# Altium PCB Pannel3.5x2 Ver0.2.PcbDoc (part 2 of 4)
Units mil, origin at the board's own origin, x right, y up, seen from the top; angles counter-clockwise.
Board outline 4133.86 x 2283.46 mil, 4 copper layers (SIGNAL, GROUND, PWR, SIGNAL (Bottom)), stack 61.627 mil thick; 222 components, 165 nets, 808 pads, 673 vias.
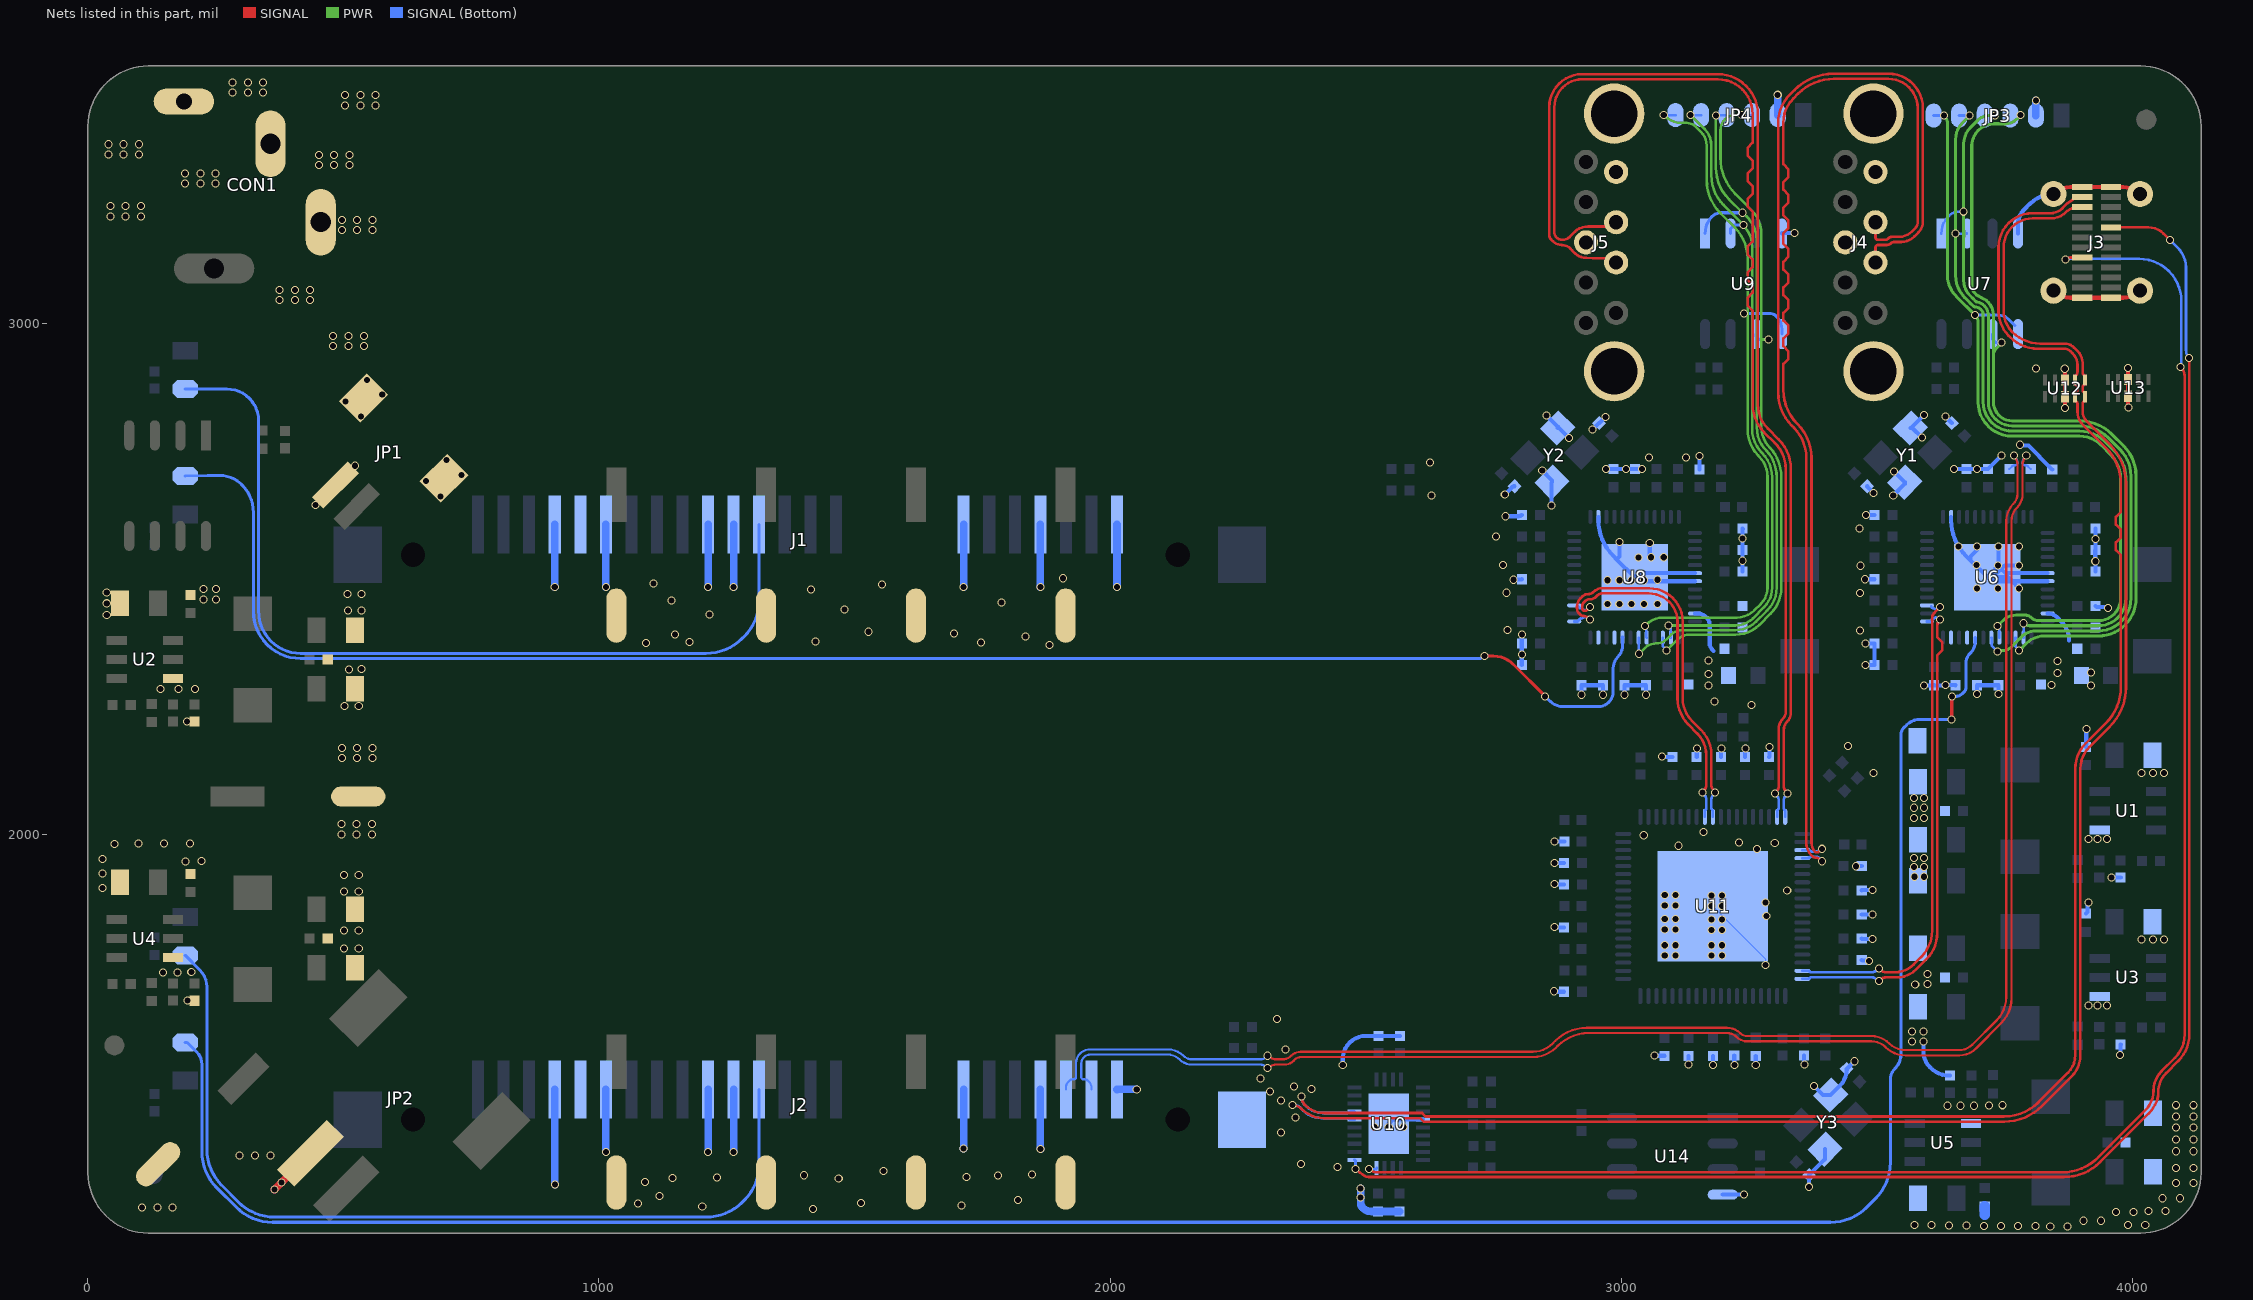
[diagram p4: the nets of this part, all layers, seen from the top]

## Via types
v1: diameter 15.75, hole 11.81, SIGNAL to SIGNAL (Bottom), tented both sides, 673 vias

## Nets (pads, with @x,y where several pads share a name; then routed paths per layer and width w, separated by ;. In a path a pad name is that pad's centre, name@x,y a point inside that pad or via, vN(x,y) a via of type N, cw(c..) or ccw(c..) an arc to the next point about the centre after c; other vN are vias at no path point) (continued)
cap_TX2_N: C40.1 J2.S3 | length 3089.5
  SIGNAL w4.29: v1(2308,1566.83) cw(c2308,1563.98) 2310.02,1565.99 ccw(c2325.04,1581.02) 2325.04,1559.77 2336.81,1559.77 ccw(c2336.81,1584.91) 2336.9,1559.77 ccw(c2336.81,1584.91) 2354.49,1567.04 ccw(c2336.81,1584.91) 2354.54,1567.09 ccw(c2336.81,1584.91) 2354.58,1567.13 cw(c2372.46,1549.18) 2372.46,1574.51 2826.91,1574.51 ccw(c2826.91,1629.09) 2865.5,1590.5 2871.01,1596.01 cw(c2932.53,1534.5) 2932.53,1621.5 3207.01,1621.5 cw(c3207.01,1585.17) 3232.7,1610.86 ccw(c3246.17,1624.33) 3232.74,1610.82 ccw(c3246.17,1624.33) 3246.17,1605.28 3489.55,1605.28 cw(c3489.55,1556.56) 3523.99,1591.01 ccw(c3555.87,1622.87) 3555.87,1577.8 3661,1577.8 ccw(c3661,1613.85) 3686.49,1588.36 3733.85,1635.72 ccw(c3687.56,1682) 3753.02,1682 3753.02,2612.97 cw(c3800.34,2612.97) 3766.88,2646.43 ccw(c3747.63,2665.69) 3774.86,2665.69 3774.86,2723.96 ccw(c3753.61,2723.96) 3768.63,2738.98 cw(c3770.65,2741) v1(3767.8,2741)
  SIGNAL (Bottom) w4.29: J2.S3@1913.43,1500.84 1913.43,1504.19 cw(c1929.93,1504.19) 1918.26,1515.86 1920.38,1517.98 cw(c1926.94,1511.43) 1926.94,1520.69 1929,1520.69 ccw(c1929,1524.98) 1930.35,1520.91 ccw(c1929,1524.98) 1932.03,1521.95 ccw(c1929,1524.98) 1933.07,1523.63 ccw(c1929,1524.98) 1933.29,1524.98 1933.29,1551.93 cw(c1960.59,1551.93) 1941.28,1571.24 1941.36,1571.32 ; 1941.4,1571.35 cw(c1960.61,1552.07) 1960.61,1579.29 2112.79,1579.29 cw(c2112.79,1535.68) 2143.61,1566.53 ; 2143.64,1566.5 ccw(c2159.91,1582.8) 2159.91,1559.77 2294.77,1559.77 ccw(c2294.77,1571.82) 2303.29,1563.3 2305.98,1565.99 cw(c2308,1563.98) v1(2308,1566.83) ; C40.1@3759,2714.43 3764.71,2720.14 cw(c3769.52,2715.32) 3769.52,2722.13 3770.56,2722.13 ccw(c3770.56,2726.42) 3771.92,2722.35 ccw(c3770.56,2726.42) 3773.6,2723.39 ccw(c3770.56,2726.42) 3774.63,2725.06 ccw(c3770.56,2726.42) 3774.86,2726.42 3774.86,2727.77 ccw(c3762.8,2727.77) v1@3771.33,2736.29
cap_TX2_P: C38.1 J2.S2 | length 3089.4
  SIGNAL w4.29: v1(2308,1542.42) ccw(c2308,1545.28) 2310.02,1543.26 cw(c2325.04,1528.23) 2325.04,1549.48 2341.2,1549.48 ccw(c2341.2,1574.3) 2358.75,1556.75 ; 2358.99,1556.99 2361.76,1559.76 cw(c2372.53,1548.99) 2372.53,1564.22 2827.02,1564.22 ccw(c2827.02,1628.83) 2872.7,1583.15 2875.28,1585.72 cw(c2936.79,1524.21) 2936.79,1611.21 3206.9,1611.21 cw(c3206.9,1584.9) 3225.5,1603.5 ccw(c3246.05,1624.05) 3246.05,1594.99 3489.42,1594.99 cw(c3489.42,1556.25) 3516.77,1583.68 cw(c3489.42,1556.25) 3516.81,1583.64 ccw(c3555.8,1622.71) 3555.8,1567.51 3661.06,1567.51 ccw(c3661.06,1613.7) 3693.72,1581.04 3742.86,1630.17 ccw(c3693.48,1679.55) 3763.31,1679.55 3763.31,2612.87 cw(c3800.59,2612.87) 3774.23,2639.23 ccw(c3747.87,2665.59) 3785.14,2665.59 3785.14,2723.96 cw(c3806.39,2723.96) 3791.37,2738.98 ccw(c3789.35,2741) v1(3792.2,2741)
  SIGNAL (Bottom) w4.29: J2.S2@1963.43,1500.84 1963.43,1504.19 ccw(c1946.93,1504.19) 1958.6,1515.86 1956.48,1517.98 ccw(c1949.93,1511.43) 1949.93,1520.69 1947.87,1520.69 cw(c1947.87,1524.98) 1944.83,1521.95 cw(c1947.87,1524.98) 1943.58,1524.98 1943.58,1551.89 cw(c1960.68,1551.89) 1948.59,1563.99 cw(c1960.68,1551.9) 1960.68,1569 2112.72,1569 cw(c2112.72,1535.51) 2136.39,1559.2 ccw(c2159.84,1582.63) 2136.46,1559.13 ccw(c2159.84,1582.63) 2159.76,1549.48 ccw(c2159.84,1582.63) 2159.84,1549.48 2294.77,1549.48 cw(c2294.77,1537.43) 2303.29,1545.95 2305.98,1543.26 ccw(c2308,1545.28) v1(2308,1542.42) ; v1@3788.67,2736.29 ccw(c3797.2,2727.77) 3785.14,2727.77 3785.14,2726.42 ccw(c3789.44,2726.42) 3785.37,2725.06 ccw(c3789.44,2726.42) 3786.4,2723.39 ccw(c3789.44,2726.42) 3788.08,2722.35 ccw(c3789.44,2726.42) 3789.44,2722.13 3790.48,2722.13 cw(c3790.48,2715.32) 3795.29,2720.14 C38.1@3801,2714.43
DAS1: J1.P11
DAS2: J2.P11
GND: C1.2 C2.2 C5.1 C6.1 C7.1 C8.1 C11.2 C12.2 C13.2 C14.2 C15.2 C16.2 C19.1 C20.1 C21.1 C22.1 C25.2 C26.2 C27.2 C28.2 C29.2 C31.1 C32.1 C34.2 C35.2 C45.1 C46.1 C47.1 C49.1 C50.1 C51.1 C52.1 C53.1 C54.1 C55.1 C56.1 C57.1 C58.1 C59.1 C60.1 C61.1 C62.1 C65.2 C66.2 C67.1 C68.1 C69.1 C71.1 C72.1 C73.1 C74.1 C75.1 C76.1 C77.1 C78.1 C79.1 C80.1 C81.1 C82.1 C83.1 C84.1 C87.2 C88.2 C89.1 C90.1 C91.2 C102.1 C103.1 C104.1 C105.1 C106.1 C107.2 C108.2 C109.1 C110.1 C111.1 C112.1 C113.1 C114.1 C115.1 C116.1 C117.1 C118.1 C119.1 C120.1 C121.2 C122.2 CON1.2 CON1.3 CON1.4 E1.2 E2.2 E3.2 E4.2 E5.2 E6.2 E7.2 E8.2 E9.2 E10.2 J1.P5 J1.P6 J1.P10 J1.P12 J1.S1 J1.S4 J1.S7 J2.P5 J2.P6 J2.P10 J2.P12 J2.S1 J2.S4 J2.S7 J2.SH1 J3.A1 J3.A12 J3.B1 J3.B12 J3.SH1 J3.SH2 J3.SH3 J3.SH4 J4.4 J4.7 J4.10 J4.11 J5.4 J5.7 J5.10 J5.11 JP1.0 JP1.2 JP2.2 JP3.2 JP4.2 R3.2 R4.2 R7.2 R8.2 R10.2 R18.1 R19.1 R24.1 R25.1 R32.2 R36.1 R37.1 R39.2 R42.2 U1.1 U2.1 U3.1 U4.1 U5.1 U6.26 U6.42 U6.43 U6.47 U6.49 U7.4 U8.26 U8.42 U8.43 U8.47 U8.49 U9.4 U10.19 U10.29 U11.77 U12.3 U12.8 U13.3 U13.8 U14.4 Y1.2 Y1.4 Y2.2 Y2.4 Y3.2 Y3.4 | length 6583.2
  SIGNAL w6: v1(193.77,2220.41) R4.2@209,2220.41 ; v1(194.75,1674.97) 208.43,1674.97 R8.2@209,1674.41 ; v1(445,2644) 484.13,2683.13 JP1.2@484.37,2683.13 485.13,2683.13 v1(523,2721)
  SIGNAL w8: J3.SH2@3845.35,3063.51 ccw(c3878.62,3096.78) 3878.62,3049.73 J3.B1@3901.65,3049.73 J3.A12@3958.34,3049.73 3981.38,3049.73 ccw(c3981.38,3096.78) J3.SH3@4014.64,3063.51 ; J3.SH1@3845.35,3252.49 cw(c3878.62,3219.22) 3878.62,3266.27 J3.B12@3901.65,3266.27 J3.A1@3958.34,3266.27 3981.38,3266.27 cw(c3981.38,3219.22) J3.SH4@4014.64,3252.49 ; v1(3867.52,2910.78) 3867.89,2910.41 U12.3@3867.89,2888.78 U12.8@3867.89,2855.91 3867.89,2834.28 v1(3868.26,2833.91) ; v1(3991.26,2911.87) 3991.63,2911.5 U13.3@3991.63,2889.87 U13.8@3991.63,2857 3991.63,2835.37 v1(3992,2835)
  SIGNAL w15: v1(365,1305) v1(379,1319) 435.75,1375.75 JP2.2@435.75,1376.13
  SIGNAL (Bottom) w2: U11.77@3179,1859 3201,1837 3282.34,1755.66 v1(3282.34,1744.63)
  SIGNAL (Bottom) w8: v1(2455,1548.38) 2455,1560.1 cw(c2500.63,1560.1) 2468.34,1592.34 cw(c2500.63,1560.1) 2500.63,1605.73 R37.1@2525,1605.73 R36.1@2567,1605.73 ; U10.29@2545,1434 2552.87,1441.87 U10.19@2611.93,1441.87 ; v1(2772,2665) 2785.75,2678.75 cw(c2791.05,2673.44) C88.2@2791.05,2680.95 ; v1(2773.29,2622.24) 2798.63,2622.24 ccw(c2798.63,2631.66) C71.1@2805.28,2625 ; v1(2789,2498) 2789.5,2498.5 2804.78,2498.5 C73.1@2805.28,2499 ; C82.1@2805.28,2331 v1(2805.28,2351.72) C74.1@2805.28,2373 v1(2805.28,2391.28) ; v1(2845.35,2711.65) 2864.43,2692.57 Y2.2@2864.43,2689.11 2863.04,2687.71 v1(2863.04,2642.96) ; v1(2854,2819) 2875.57,2797.43 Y2.4@2875.57,2794.89 2878.11,2794.89 v1(2897.65,2775.35) ; v1(2868,1693) ccw(c2870.41,1695.41) 2870.41,1692 C103.1@2887.57,1692 ; v1(2869,1819) ccw(c2871.41,1821.41) 2871.41,1818 C119.1@2887.57,1818 ; v1(2869,1903) ccw(c2871.41,1905.41) 2871.41,1902 C91.2@2887.57,1902 ; v1(2869,1944) C102.1@2887.57,1944 ; v1(2869,1986) R32.2@2888.54,1986 ; v1(2922,2273) C80.1@2922,2291.57 C77.1@2964,2291.57 v1(2964,2273) ; v1(2944,2792.03) C87.2@2956.47,2804.53 ; U8.26@2955.13,2621.11 2955.13,2615.29 ccw(c3055.13,2615.29) 2984.42,2544.58 U8.49@2991,2538 ; C87.2@2956.47,2804.53 2957.5,2804.53 v1(2968.97,2816) ; v1(2970.37,2714.43) C78.1@2985,2714.43 v1(3009.43,2714.43) C76.1@3027,2714.43 v1(3040.43,2714.43) ; v1(2996.18,2572.2) 2996.18,2543.18 U8.49@2991,2538 ; v1(3006,2273) C81.1@3006,2291.57 C75.1@3048,2291.57 v1(3048,2273) ; v1(3055.64,2570.12) 3055.64,2545.36 U8.49@3060,2541 ; v1(3065,1567) 3065.22,1566.78 3084.28,1566.78 C112.1@3084.5,1566.57 ; v1(3080,2152) ccw(c3081.37,2153.37) 3081.37,2151.43 C116.1@3100.3,2151.43 ; v1(3131,1550) 3131.4,1550.4 3131.4,1566.17 C117.1@3131.8,1566.57 ; U8.47@3144.11,2432.13 3147.36,2432.13 cw(c3147.36,2404.36) 3167,2424 cw(c3152.29,2409.29) 3173.09,2409.29 3173.09,2370.29 ccw(c3199.99,2378.99) 3180,2359 ; U8.43@3144.11,2495.13 3045.01,2495.13 cw(c3045.01,2522.01) U8.49@3026,2503 ; U8.42@3144.11,2510.87 3045.01,2510.87 ccw(c3045.01,2483.99) U8.49@3026,2503 ; C109.1@3147.5,2151.43 3147.5,2166.79 cw(c3149.21,2166.79) v1(3148,2168) ; R25.1@3153,2713.32 v1(3153,2740) ; v1(3179,1549) C110.1@3179,1566.57 ; C120.1@3194.7,2151.43 3195.14,2151.87 3195.14,2167.41 v1(3195.58,2167.85) ; U14.4@3198.43,1295 v1(3240,1295) ; v1(3221,1549) R39.2@3221,1567.43 ; C72.1@3237.44,2514 3237.33,2514.11 3237.33,2535.11 v1(3237.22,2535.22) 3237.22,2555.78 C83.1@3237.44,2556 v1(3237.44,2578.56) 3237.44,2596.87 3238,2597.44 C67.1@3237.44,2598 ; C111.1@3242,2151.43 3242,2169.59 cw(c3245.41,2169.59) 3243,2172 v1(3243,2167.85) ; v1(3263,1549) C106.1@3263,1566.57 ; C104.1@3289.2,2151.43 ccw(c3287.27,2153.36) 3290,2153.36 v1(3290,2171) ; U9.4@3314,3175.43 3314.57,3176 v1(3339,3176) ; R42.2@3357,1567.43 3357.5,1566.93 3357.5,1550.5 v1(3358,1550) ; v1(3367.53,1310.47) C108.2@3367.53,1333.47 3398.43,1364.38 Y3.2@3398.43,1384.11 ; v1@3376.53,1507.9 v1@3377.64,1509 ; v1(3377,1507.43) 3394.54,1489.89 Y3.4@3409.57,1489.89 3427.09,1507.41 ccw(c3393.5,1541) 3440.38,1533.36 C107.2@3441,1541 v1(3456,1556) ; v1(3458.72,1937.55) 3458.79,1937.63 3470.36,1937.63 C105.1@3470.43,1937.7 ; C115.1@3470.43,1754 3471.38,1753.06 3483.61,1753.06 v1(3484.56,1752.11) ; C118.1@3470.43,1796 3470.93,1795.5 3490.5,1795.5 v1(3491,1795) ; C113.1@3470.43,1843.3 3470.58,1843.15 3490.85,1843.15 v1(3491,1843) ; C114.1@3470.43,1890.5 3470.68,1890.75 3490.75,1890.75 v1(3491,1891) ; v1@3475,2374 ccw(c3477.41,2376.41) v1(3477.41,2373) C53.1@3495.28,2373 C62.1@3495.28,2331 v1(3478,2331) ; v1(3476.41,2499) C56.1@3495.28,2499 ; v1(3478.41,2625) C54.1@3495.28,2625 ; C66.2@3481.05,2680.95 3481.05,2680.45 3493,2668.5 v1(3493,2668) ; v1(3532,2663) 3554.43,2685.43 Y1.2@3554.43,2689.11 3553.89,2689.11 v1(3533.35,2709.65) ; Y1.4@3565.57,2794.89 Y1.4@3566.89,2794.89 ; v1(3588.17,2775.87) 3569.15,2794.89 Y1.4@3566.89,2794.89 ; v1(3591,1595) 3591,1576 ccw(c3636.87,1576) 3604.41,1543.59 ; v1(3592,2820) Y1.4@3566.89,2794.89 ; v1(3592.52,2291) 3592.81,2291.28 3611.72,2291.28 C58.1@3612,2291.57 3612.28,2291.28 v1@3634.43,2291.28 ; 3604.44,1543.56 ccw(c3642.35,1581.48) 3642.35,1527.86 R10.2@3643,1527.86 ; v1(3634,2292) 3634.22,2291.78 3653.78,2291.78 C52.1@3654,2291.57 ; v1(3634,2817) C65.2@3646.47,2804.53 ; U6.26@3645.13,2621.11 3645.13,2615.29 ccw(c3745.13,2615.29) 3674.42,2544.58 U6.49@3683,2536 ; v1(3650.56,2714.56) 3650.62,2714.49 3674.94,2714.49 C55.1@3675,2714.43 v1(3696,2714.43) C49.1@3717,2714.43 v1@3741.89,2739.32 ; v1(3695.84,2274.75) 3695.92,2274.83 3695.92,2291.49 C61.1@3696,2291.57 C51.1@3738,2291.57 v1(3738,2274.75) ; v1(3695.84,2563) 3695.84,2555.92 3683,2543.08 U6.49@3683,2536 ; v1(3737,2526) 3732.04,2521.04 U6.49@3732.04,2519.04 ; U6.49@3738,2525 v1(3738,2563) ; v1@3741.9,2739.33 ccw(c3739.22,2742) v1@3743,2742 ; v1@3742.5,2742.5 v1@3744,2744 ; U7.4@3776,3175.43 3776,3193.83 cw(c3814.53,3193.83) 3787.29,3221.07 3799.86,3233.64 cw(c3845.35,3188.15) J3.SH1@3845.35,3252.49 ; v1(3778.33,2481) U6.49@3764.2,2495.13 ; v1(3778.33,2526) 3750.14,2526 U6.49@3743.18,2519.04 ; v1(3780,2762.14) 3781.48,2760.66 3796.41,2760.66 3818.18,2738.89 3818.18,2738.15 R19.1@3843,2713.32 ; U6.47@3834.11,2432.13 cw(c3834.11,2406.14) 3849.21,2427.3 3850.89,2426.1 cw(c3843.95,2416.39) 3853.37,2423.72 ccw(c3859.66,2428.67) 3853.97,2423.04 3860.44,2416.58 cw(c3822.86,2379) 3863.54,2413.19 cw(c3822.86,2379) 3874.54,2391.35 cw(c3822.86,2379) 3876,2379.02 ; U6.43@3834.11,2495.13 U6.49@3764.2,2495.13 ; U6.42@3834.11,2510.87 3751.34,2510.87 U6.49@3743.18,2519.04 ; C20.1@3909,1844.72 3912.1,1847.82 3912.1,1865.52 v1(3913.58,1867) ; C6.1@3909,2170.72 3909.5,2171.22 3909.5,2205.5 v1(3910,2206) ; C57.1@3927.44,2447 3930.04,2444.39 3950.78,2444.39 v1(3952.26,2442.91) ; C50.1@3927.44,2514 3927.33,2514.11 3927.33,2534.11 v1(3927.22,2534.22) 3927.22,2555.78 C60.1@3927.44,2556 3927.72,2556.28 3927.72,2577.72 v1(3928,2578) 3927.72,2578.28 3927.72,2597.72 C45.1@3927.44,2598 ; v1(3958.72,1915.57) 3958.93,1915.36 3976.79,1915.36 R3.2@3977,1915.14 ; v1(3976,1568) 3976.5,1568.5 3976.5,1588.64 R7.2@3977,1589.14 ; U8.49@2991,2538 U8.49@3026,2503 ; U6.49@3683,2536 U6.49@3716,2503 ; U6.49@3716,2503 3723.87,2495.13 U6.49@3764.2,2495.13 ; U6.49@3716,2503 3756.33,2503 U6.49@3764.2,2495.13 ; U6.49@3716,2503 U6.49@3722.13,2509.13 ; U6.49@3722.13,2509.13 U6.49@3732.04,2519.04 ; U6.49@3722.13,2509.13 3733.26,2509.13 U6.49@3743.18,2519.04 ; U6.49@3732.04,2519.04 U6.49@3743.18,2519.04
  SIGNAL (Bottom) w15: J2.P12@913.43,1500.84 913.43,1315.77 914,1315.2 v1(914,1315) ; v1(913.43,2483.97) J1.P12@913.43,2606.09 ; v1(1013.43,1378.72) J2.P10@1013.43,1500.84 ; v1(1013.43,2483.97) J1.P10@1013.43,2606.09 ; v1(1213.43,1378.72) J2.P6@1213.43,1500.84 ; v1(1213.43,2483.97) J1.P6@1213.43,2606.09 ; v1(1263.43,1378.72) J2.P5@1263.43,1500.84 ; v1(1263.43,2483.97) J1.P5@1263.43,2606.09 ; v1(1713,1385) 1713,1385.2 1713.43,1385.63 J2.S7@1713.43,1500.84 ; v1(1713.43,2483.97) J1.S7@1713.43,2606.09 ; J2.S4@1863.43,1500.84 1863.43,1384.77 1864,1384.2 v1(1864,1384) ; v1(1863.43,2483.97) J1.S4@1863.43,2606.09 ; J2.S1@2013.43,1500.84 2013.59,1501 v1(2052,1501) ; v1(2013.43,2483.97) J1.S1@2013.43,2606.09 ; v1(2490,1307) v1(2490,1289.87) 2490,1279.45 ccw(c2504.55,1279.45) 2494.26,1269.16 ccw(c2511.47,1286.36) 2511.47,1262.03 C90.1@2524,1262.03 C89.1@2566,1262.03 ; JP4.2@3306,3407 v1(3306,3446.8) ; JP3.2@3811,3406 v1(3811,3436)
  SIGNAL (Bottom) w20: 3711,1255.83 C32.1@3711,1272.28
  other v1: 3839.17,1232.5 3873.17,1232.5 3709.17,1233.5 3743.17,1233.5 3776.17,1233.5 3810.17,1233.5 3641.17,1234.5 3675.17,1234.5 3573.17,1235.5 3607.17,1235.5 3991,1236 4025,1236 3904,1244 3938,1244 3968,1261 4002,1261 4031,1263 4065,1263 1419,1267 106,1270 136,1270 166,1270 1202,1272 1708.78,1274.01 1076,1278 1513,1279 1819.98,1284.6 4059,1288 4093,1288 1118.45,1292.41 4085,1318 4119,1318 1090,1320 1469,1327 1144,1328 1230.77,1328.64 1719.09,1329.76 1401,1333 1780.68,1332.82 1847.02,1334.5 1557,1341 4085,1347 4119,1347 2444.98,1348.78 2373.23,1355.4 297,1372 327,1372 357,1372 4085,1380 4119,1380 4085,1403 4119,1403 2334.46,1416.36 4085,1426 4119,1426 2517,1427 2545,1427 2574,1427 2362.27,1446.2 4085,1448 4119,1448 3638,1469 3664,1469 3690,1469 3719,1469.57 3746,1470 4085,1470 4119,1470 2334.3,1478.91 2312.28,1496.57 2394.13,1501.53 2359.87,1506.99 2293.9,1522.5 2343,1579 3569,1595 3569,1614 3591,1614 2326.01,1638.59 3914,1665 3932,1665 3950,1665 3575,1706 3599,1707 3599,1727 147,1730 175,1730 202.36,1730.36 3085,1763 3106,1763 3176,1763 3197,1763 501,1777 530,1777 3085,1783 3106,1783 3176,1783 3197,1783 4018,1794 4040,1794 4062,1794 501,1812 530,1812 3176,1813 3197,1813 3085,1814 3106,1814 3176,1833 3197,1833 3085,1834 3106,1834 3283.59,1839.84 3176,1860 3197,1860 3085,1861 3106,1861 3281.86,1866.85 3176,1880 3197,1880 3085,1881 3106,1881 501,1888 530,1888 3324.58,1890.47 29,1895 3573.5,1916.99 3592.5,1916.99 501,1920 530,1920 29,1923 3573,1936 3592,1936 191,1947 222,1948 29,1952 3573,1954 3592,1954 3265.66,1971.63 3112.11,1977.59 52,1981 99,1982 149,1982 200,1982 3300.17,1983.4 3230.49,1984.03 3914,1991 3932,1991 3950,1991 3043.91,1998.2 496,2000 526,2000 556,2000 3160.35,2004.82 496,2020 526,2020 556,2020 3573,2032 3592,2032 3573,2052 3592,2052 3573,2071 3592,2071 3493.55,2119.87 4018,2120 4040,2120 4062,2120 497,2149 527,2149 557,2149 497,2169 527,2169 557,2169 3443.11,2172.89 502,2251 530,2251 3254.61,2252.9 3182.37,2259.87 142,2284 177,2284 210,2284 3171,2291 3918.87,2291.28 3842,2292 3171,2314 3853,2316 3919,2317 511,2322 535,2323 3853,2339 3171,2340 1881,2370 1092,2374 1747.24,2375.48 1177,2376 1423.12,2377.1 1834,2387 1149,2391 1694.41,2393.25 1527.16,2396.25 2777,2399.39 3467,2398.96 37,2429 1216,2430 509,2438 535,2438 1480,2440 2973,2451 2996,2451 3020,2451 3044,2451 3071,2451 37,2452 1787.84,2453.92 1142,2457 226,2459 251,2459 508,2470 535,2470 3467.01,2472.19 37,2473 2775.7,2472.58 1415,2479 226,2480 251,2480 3695.84,2481 3737,2481 1554,2489 1107,2491 2973,2497 2996,2497 3020,2497 3044,2497 3071,2498 1907.8,2500.98 3468.23,2525.42 2768.77,2527.2 3695,2527 3033.4,2541.6 3058,2542 3083,2542 3660,2563 3778.33,2563 2755.15,2582.78 3465.93,2598.59 690,2661 2629.04,2662.57 662,2691 731,2703 2625.72,2727.62 702,2732 3053.88,2737.11 3126.12,2737.11 3743.39,2741 534,2817 504,2847 576,2860 546,2889 3811.39,2911.55 480,2955 510,2955 540,2955 480,2975 510,2975 540,2975 375,3045 405,3045 435,3045 375,3065 405,3065 435,3065 497,3182 527,3182 557,3182 497,3202 527,3202 557,3202 44,3209 74,3209 104,3209 44,3229 74,3229 104,3229 190,3273 220,3273 250,3273 190,3293 220,3293 250,3293 452,3309 482,3309 512,3309 452,3329 482,3329 512,3329 40,3330 70,3330 100,3330 40,3350 70,3350 100,3350 503,3426 533,3426 563,3426 503,3446 533,3446 563,3446 283,3451 313,3451 343,3451 283,3471 313,3471 343,3471
GPIO0-B: JP3.5 U6.2 U7.2 | length 1491.7
  PWR w6: v1(3681.38,3406) 3667.62,3392.24 ccw(c3700.84,3359.02) 3653.86,3359.02 3653.86,3175.14 v1(3654,3175) 3654,3093.65 ccw(c3716.13,3093.65) 3672.2,3049.72 3681.54,3040.38 ; 3681.57,3040.35 ccw(c3702.84,3061.58) 3681.62,3040.3 ccw(c3702.84,3061.58) 3681.77,3040.14 3688.82,3033.22 ccw(c3693.02,3037.51) 3692.73,3031.51 cw(c3692.13,3015.65) 3703.33,3026.89 ; 3703.37,3026.86 cw(c3692.13,3015.65) 3708,3015.65 cw(c3692.13,3015.65) 3707.95,3014.4 ccw(c3713.93,3013.96) 3707.93,3013.96 3707.99,3002.03 cw(c3677.94,3001.47) 3708,3001.47 3708,2845.58 ccw(c3764.58,2845.58) 3724.57,2805.57 ccw(c3764.58,2845.58) 3764.58,2789 3889,2789 3896.25,2789 cw(c3896.26,2719.26) 3945.54,2768.61 cw(c3896.26,2719.26) 3945.6,2768.54 3966.29,2747.85 cw(c3916.34,2697.9) 3986.98,2697.9 3986.98,2461.57 cw(c3933.41,2461.57) 3971.29,2423.69 ; v1(3787.01,2412.94) ccw(c3798.94,2424.87) 3793.78,2408.81 ccw(c3798.94,2424.87) 3798.94,2408 3933.41,2408 ccw(c3933.41,2461.57) 3971.27,2423.67
  SIGNAL (Bottom) w5: v1(3654,3175) 3675.57,3175 U7.2@3676,3175.43 ; U6.2@3786.87,2384.89 3786.94,2384.96 3786.94,2412.87 v1(3787.01,2412.94)
  SIGNAL (Bottom) w6: JP3.5@3661,3406 v1(3681.38,3406)
GPIO0-C: JP4.5 U8.2 U9.2 | length 1290.4
  PWR w5: v1(3092.44,2408.48) 3223.19,2408.48 ccw(c3223.19,2456.81) 3257.35,2422.62 ; v1(3135.62,3407) 3162.81,3379.81 cw(c3130.97,3347.97) 3176,3347.97 3176,3289.38 ccw(c3258.38,3289.38) 3200.11,3231.15 v1@3237,3194.26 ; v1@3238,3192 cw(c3194.54,3148.54) 3251.01,3172.8 cw(c3194.54,3148.54) 3256,3148.54 3256,2793.03 ccw(c3322.58,2793.03) 3275.5,2745.95 cw(c3228.73,2699) 3275.57,2745.88 ; 3257.36,2422.64 3279.36,2444.64 ; 3275.61,2745.84 cw(c3228.73,2699) 3295,2699 3295,2482.38 cw(c3241.62,2482.38) 3279.38,2444.65
  SIGNAL (Bottom) w5: v1@3096.32,2401.7 3096.32,2396.06 3096.87,2395.51 U8.2@3096.87,2384.89 ; v1(3135.62,3407) JP4.5@3156,3407
  SIGNAL (Bottom) w6: U9.2@3214,3175.43 3214,3185.32 3220.32,3191.64 v1(3238.6,3191.64)
GPIO1-B: JP3.3 U6.3 U7.6 | length 1609.7
  PWR w6: 3728,3013.53 3728,2938 ; 3728,3015.65 ccw(c3692.13,3015.65) 3717.54,3040.97 ccw(c3692.13,3015.65) 3717.49,3041.02 3713.71,3044.8 3709.09,3047.26 ccw(c3692.13,3015.65) 3708.9,3047.36 3696.72,3053.85 cw(c3699.55,3059.14) 3695.32,3054.88 3692.14,3058.06 cw(c3707.92,3073.84) 3685.6,3073.84 3685.6,3346.56 cw(c3729.17,3346.56) 3698.37,3377.37 cw(c3729.17,3346.56) 3729.17,3390.13 3752.57,3390.13 ccw(c3752.57,3418.93) 3772.93,3398.55 v1(3781.38,3407) ; v1@3744.5,2961.5 3732.95,2949.95 ccw(c3744.9,2938) 3728,2938 ; v1(3778.33,2359.42) 3792.62,2373.71 ; 3792.65,2373.74 cw(c3827.12,2339.2) 3827.12,2388 3933.41,2388 ccw(c3933.41,2461.57) 3985.4,2409.52 ; 3896.21,2809 3884,2809 3764.58,2809 cw(c3764.58,2845.58) 3738.71,2819.71 cw(c3764.58,2845.58) 3728,2845.58 3728,2938 ; 3896.26,2809 cw(c3896.26,2719.26) 3959.64,2782.79 cw(c3896.26,2719.26) 3959.75,2782.68 3982.85,2759.58 cw(c3924.71,2701.37) 3982.94,2759.49 cw(c3924.71,2701.37) 4006.98,2701.41 4007,2688 4007,2461.62 cw(c3933.36,2461.62) 3985.43,2409.55